# Altium PCB ESP32_Demo.PcbDoc (part 3 of 7) (continued)
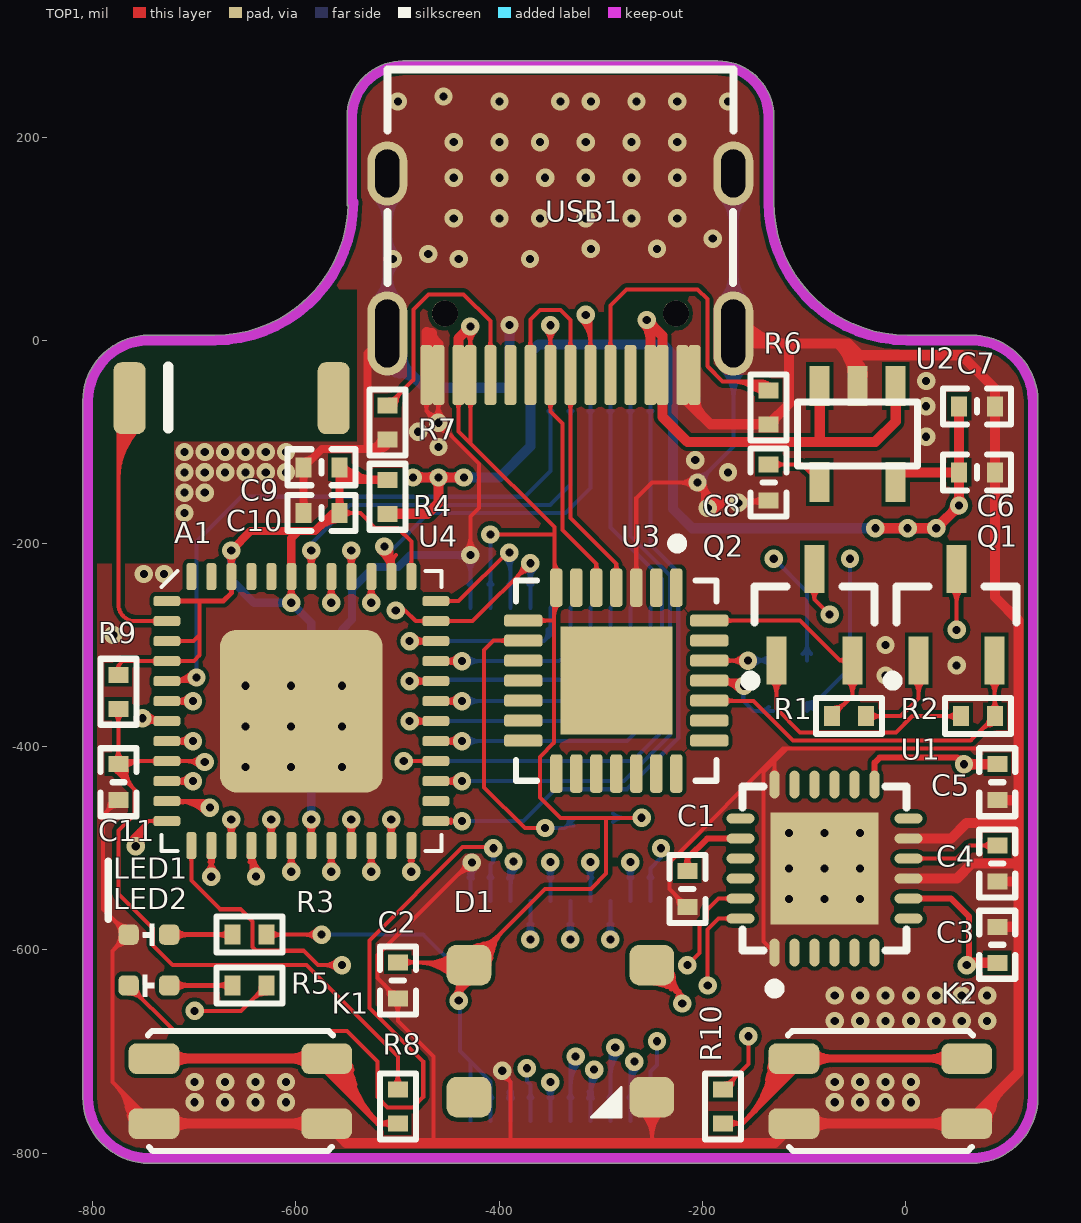
[diagram p0: TOP1 view]
## Nets (pads, with @x,y where several pads share a name; then routed paths per layer and width w, separated by ;. In a path a pad name is that pad's centre, name@x,y a point inside that pad or via, vN(x,y) a via of type N, cw(c..) or ccw(c..) an arc to the next point about the centre after c; other vN are vias at no path point) (continued)
  TOP1 w8: C10.1@-592.49,-170 C9.1@-592.49,-125 -574.65,-107.16 -529.77,-107.16 ; USB1.4@-510.05,6.73 -529.77,-12.99 -529.77,-107.16 ; R7.2@-509.78,-97.71 -519.22,-107.16 ; C10.1@-595.23,-165.29 ccw(c-601.84,-158.68) -592.49,-158.68 ; C10.1@-595.23,-165.29 ccw(c-601.84,-158.68) -592.49,-158.68 ; C10.1@-595.23,-165.29 ccw(c-601.84,-158.68) -592.49,-158.68 ; C10.1@-595.23,-165.29 ccw(c-601.84,-158.68) -592.49,-158.68 ; C10.1@-595.23,-165.29 ccw(c-601.84,-158.68) -592.49,-158.68 ; C10.1@-595.23,-165.29 ccw(c-601.84,-158.68) -592.49,-158.68 ; C9.1@-595.23,-129.71 cw(c-601.84,-136.32) -592.49,-136.32 ; C9.1@-595.23,-129.71 cw(c-601.84,-136.32) -592.49,-136.32 ; C9.1@-595.23,-129.71 cw(c-601.84,-136.32) -592.49,-136.32 ; C9.1@-595.23,-129.71 cw(c-601.84,-136.32) -592.49,-136.32 ; C9.1@-595.23,-129.71 cw(c-601.84,-136.32) -592.49,-136.32 ; C9.1@-595.23,-129.71 cw(c-601.84,-136.32) -592.49,-136.32 ; -592.49,-158.68 ccw(c-583.14,-158.68) C10.1@-589.75,-165.29 ; -592.49,-158.68 ccw(c-583.14,-158.68) C10.1@-589.75,-165.29 ; -592.49,-158.68 ccw(c-583.14,-158.68) C10.1@-589.75,-165.29 ; -592.49,-158.68 ccw(c-583.14,-158.68) C10.1@-589.75,-165.29 ; -592.49,-158.68 ccw(c-583.14,-158.68) C10.1@-589.75,-165.29 ; -592.49,-158.68 ccw(c-583.14,-158.68) C10.1@-589.75,-165.29 ; -592.49,-136.32 cw(c-583.14,-136.32) C9.1@-589.75,-129.71 ; -592.49,-136.32 cw(c-583.14,-136.32) C9.1@-589.75,-129.71 ; -592.49,-136.32 cw(c-583.14,-136.32) C9.1@-589.75,-129.71 ; -592.49,-136.32 cw(c-583.14,-136.32) C9.1@-589.75,-129.71 ; -592.49,-136.32 cw(c-583.14,-136.32) C9.1@-589.75,-129.71 ; -592.49,-136.32 cw(c-583.14,-136.32) C9.1@-589.75,-129.71 ; C9.1@-592.49,-119.16 ccw(c-592.49,-105.05) -582.52,-115.03 ; C9.1@-592.49,-119.16 ccw(c-592.49,-105.05) -582.52,-115.03 ; C9.1@-592.49,-119.16 ccw(c-592.49,-105.05) -582.52,-115.03 ; C9.1@-592.49,-119.16 ccw(c-592.49,-105.05) -582.52,-115.03 ; C9.1@-592.49,-119.16 ccw(c-592.49,-105.05) -582.52,-115.03 ; C9.1@-592.49,-119.16 ccw(c-592.49,-105.05) -582.52,-115.03 ; -529.77,-107.16 ccw(c-529.77,-92.18) R7.2@-515.45,-96.58 ; -529.77,-107.16 ccw(c-529.77,-92.18) R7.2@-515.45,-96.58 ; -529.77,-107.16 ccw(c-529.77,-92.18) R7.2@-515.45,-96.58 ; -529.77,-107.16 ccw(c-529.77,-92.18) R7.2@-515.45,-96.58 ; -529.77,-107.16 ccw(c-529.77,-92.18) R7.2@-515.45,-96.58 ; -529.77,-107.16 ccw(c-529.77,-92.18) R7.2@-515.45,-96.58 ; -529.77,-107.16 -519.22,-107.16 ; -519.22,-107.16 ccw(c-527.96,-98.42) R7.2@-515.61,-97.88 ; -519.22,-107.16 ccw(c-527.96,-98.42) R7.2@-515.61,-97.88 ; -519.22,-107.16 ccw(c-527.96,-98.42) R7.2@-515.61,-97.88 ; -519.22,-107.16 ccw(c-527.96,-98.42) R7.2@-515.61,-97.88 ; -519.22,-107.16 ccw(c-527.96,-98.42) R7.2@-515.61,-97.88 ; -519.22,-107.16 ccw(c-527.96,-98.42) R7.2@-515.61,-97.88 ; -518.95,-107.16 ccw(c-518.95,-95.5) R7.2@-507.8,-98.92 ; -518.95,-107.16 ccw(c-518.95,-95.5) R7.2@-507.8,-98.92 ; -518.95,-107.16 ccw(c-518.95,-95.5) R7.2@-507.8,-98.92 ; -518.95,-107.16 ccw(c-518.95,-95.5) R7.2@-507.8,-98.92 ; -518.95,-107.16 ccw(c-518.95,-95.5) R7.2@-507.8,-98.92 ; -518.95,-107.16 ccw(c-518.95,-95.5) R7.2@-507.8,-98.92
  TOP1 w10: K1.3@-739.77,-771 K1.1@-569.77,-771 -550.77,-790 ; USB1.A12@-471.66,-34.21 -471.66,8.11 ; -469.86,6.96 -471.02,8.11 -471.66,8.11 ; USB1.B1@-459.85,-34.21 -459.85,-3.7 -471.66,8.11 ; USB1.B12@-219.69,-34.21 -219.69,-55.08 -207.88,-66.89 ; USB1.A1@-207.88,-34.21 -207.88,-66.89 ; USB1.3@-169.5,6.73 -159.52,-3.24 -114.77,-3.24 ; U2.2@-47.17,-45 -47.17,-22.6 -66.53,-3.24 ; U1.9@2.9,-529.84 50.39,-529.84 65.23,-515 111.23,-515 ; U1.11@2.9,-490.47 44.76,-490.47 60.23,-475 105.23,-475 ; C3.1@90.23,-577.28 108.51,-577.28 ; C4.2@90.22,-532.71 108.94,-532.71 ; C5.2@90.22,-452.71 108.94,-452.71 ; K1.3@-722.7,-778.07 cw(c-705.63,-795.14) -705.63,-771 ; K1.3@-722.7,-778.07 cw(c-705.63,-795.14) -705.63,-771 ; K1.3@-722.7,-778.07 cw(c-705.63,-795.14) -705.63,-771 ; K1.3@-722.7,-778.07 cw(c-705.63,-795.14) -705.63,-771 ; K1.3@-722.7,-778.07 cw(c-705.63,-795.14) -705.63,-771 ; K1.3@-722.7,-778.07 cw(c-705.63,-795.14) -705.63,-771 ; K1.3@-722.7,-763.93 ccw(c-705.63,-746.86) -705.63,-771 ; K1.3@-722.7,-763.93 ccw(c-705.63,-746.86) -705.63,-771 ; K1.3@-722.7,-763.93 ccw(c-705.63,-746.86) -705.63,-771 ; K1.3@-722.7,-763.93 ccw(c-705.63,-746.86) -705.63,-771 ; K1.3@-722.7,-763.93 ccw(c-705.63,-746.86) -705.63,-771 ; K1.3@-722.7,-763.93 ccw(c-705.63,-746.86) -705.63,-771 ; -603.91,-771 cw(c-603.91,-795.14) K1.1@-586.84,-778.07 ; -603.91,-771 ccw(c-603.91,-746.86) K1.1@-586.84,-763.93 ; -603.91,-771 cw(c-603.91,-795.14) K1.1@-586.84,-778.07 ; -603.91,-771 ccw(c-603.91,-746.86) K1.1@-586.84,-763.93 ; -603.91,-771 cw(c-603.91,-795.14) K1.1@-586.84,-778.07 ; -603.91,-771 ccw(c-603.91,-746.86) K1.1@-586.84,-763.93 ; -603.91,-771 cw(c-603.91,-795.14) K1.1@-586.84,-778.07 ; -603.91,-771 ccw(c-603.91,-746.86) K1.1@-586.84,-763.93 ; -603.91,-771 cw(c-603.91,-795.14) K1.1@-586.84,-778.07 ; -603.91,-771 ccw(c-603.91,-746.86) K1.1@-586.84,-763.93 ; -603.91,-771 ccw(c-603.91,-746.86) K1.1@-586.84,-763.93 ; -603.91,-771 cw(c-603.91,-795.14) K1.1@-586.84,-778.07 ; K1.1@-551.74,-776.95 ccw(c-543.69,-782.92) -550.77,-790 ; K1.1@-551.74,-776.95 ccw(c-543.69,-782.92) -550.77,-790 ; K1.1@-551.74,-776.95 ccw(c-543.69,-782.92) -550.77,-790 ; K1.1@-551.74,-776.95 ccw(c-543.69,-782.92) -550.77,-790 ; K1.1@-551.74,-776.95 ccw(c-543.69,-782.92) -550.77,-790 ; K1.1@-551.74,-776.95 ccw(c-543.69,-782.92) -550.77,-790 ; -550.77,-790 -244.77,-790 -128.77,-790 ; USB1.A12@-471.66,-5.84 cw(c-457.07,-5.84) -467.39,4.48 ; USB1.A12@-471.66,-5.84 cw(c-457.07,-5.84) -467.39,4.48 ; USB1.A12@-471.66,-5.84 cw(c-457.07,-5.84) -467.39,4.48 ; -470.77,3.57 cw(c-473.83,-7.86) -463.58,-1.94 ; -470.77,3.57 cw(c-473.83,-7.86) -463.58,-1.94 ; -470.77,3.57 cw(c-473.83,-7.86) -463.58,-1.94 ; -470.77,3.57 cw(c-473.83,-7.86) -463.58,-1.94 ; -470.77,3.57 cw(c-473.83,-7.86) -463.58,-1.94 ; -470.77,3.57 cw(c-473.83,-7.86) -463.58,-1.94 ; -466.36,6.96 ccw(c-456.36,6.96) -463.43,-0.12 ; -466.36,6.96 ccw(c-456.36,6.96) -463.43,-0.12 ; -466.36,6.96 ccw(c-456.36,6.96) -463.43,-0.12 ; -466.27,2.72 cw(c-479.58,-10.59) USB1.B1@-460.76,-10.59 ; -466.27,2.72 cw(c-479.58,-10.59) USB1.B1@-460.76,-10.59 ; -466.27,2.72 cw(c-479.58,-10.59) USB1.B1@-460.76,-10.59 ; -466.27,2.72 cw(c-479.58,-10.59) USB1.B1@-460.76,-10.59 ; -466.27,2.72 cw(c-479.58,-10.59) USB1.B1@-460.76,-10.59 ; -466.27,2.72 cw(c-479.58,-10.59) USB1.B1@-460.76,-10.59 ; USB1.B12@-219.69,-58.74 cw(c-219.69,-67.58) USB1.A1@-213.44,-61.33 ; USB1.B12@-219.69,-58.74 cw(c-219.69,-67.58) USB1.A1@-213.44,-61.33 ; USB1.B12@-219.69,-58.74 cw(c-219.69,-67.58) USB1.A1@-213.44,-61.33 ; USB1.B12@-219.69,-58.74 cw(c-219.69,-67.58) USB1.A1@-213.44,-61.33 ; USB1.B12@-219.69,-58.74 cw(c-219.69,-67.58) USB1.A1@-213.44,-61.33 ; USB1.B12@-219.69,-58.74 cw(c-219.69,-67.58) USB1.A1@-213.44,-61.33 ; -207.88,-66.89 -192.06,-82.71 R6.2@-134.78,-82.71 -114.77,-62.71 -114.77,-3.24 ; USB1.A1@-207.07,-58.23 ccw(c-198.05,-62.57) -205.13,-69.65 ; USB1.A1@-207.07,-58.23 ccw(c-198.05,-62.57) -205.13,-69.65 ; USB1.A1@-207.07,-58.23 ccw(c-198.05,-62.57) -205.13,-69.65 ; USB1.A1@-207.07,-58.23 ccw(c-198.05,-62.57) -205.13,-69.65 ; USB1.A1@-207.07,-58.23 ccw(c-198.05,-62.57) -205.13,-69.65 ; USB1.A1@-207.07,-58.23 ccw(c-198.05,-62.57) -205.13,-69.65 ; USB1.A1@-206.98,-57.83 ccw(c-182.93,-57.83) -199.93,-74.84 ; USB1.A1@-206.98,-57.83 ccw(c-182.93,-57.83) -199.93,-74.84 ; USB1.A1@-206.98,-57.83 ccw(c-182.93,-57.83) -199.93,-74.84 ; USB1.A1@-206.98,-57.83 ccw(c-182.93,-57.83) -199.93,-74.84 ; USB1.A1@-206.98,-57.83 ccw(c-182.93,-57.83) -199.93,-74.84 ; USB1.A1@-206.98,-57.83 ccw(c-182.93,-57.83) -199.93,-74.84 ; USB1.3@-165.99,9.84 ccw(c-136.96,35.5) -136.96,-3.24 ; USB1.3@-165.99,9.84 ccw(c-136.96,35.5) -136.96,-3.24 ; USB1.3@-165.99,9.84 ccw(c-136.96,35.5) -136.96,-3.24 ; USB1.3@-165.99,9.84 ccw(c-136.96,35.5) -136.96,-3.24 ; USB1.3@-165.99,9.84 ccw(c-136.96,35.5) -136.96,-3.24 ; USB1.3@-165.99,9.84 ccw(c-136.96,35.5) -136.96,-3.24 ; USB1.3@-158.5,16.46 ccw(c-114.77,55.12) -114.77,-3.24 ; USB1.3@-158.5,16.46 ccw(c-114.77,55.12) -114.77,-3.24 ; USB1.3@-158.5,16.46 ccw(c-114.77,55.12) -114.77,-3.24 ; USB1.3@-158.5,16.46 ccw(c-114.77,55.12) -114.77,-3.24 ; USB1.3@-158.5,16.46 ccw(c-114.77,55.12) -114.77,-3.24 ; USB1.3@-158.5,16.46 ccw(c-114.77,55.12) -114.77,-3.24 ; R6.2@-129.93,-82.71 cw(c-118.24,-82.71) -126.51,-74.45 ; R6.2@-129.93,-82.71 cw(c-118.24,-82.71) -126.51,-74.45 ; R6.2@-129.93,-82.71 cw(c-118.24,-82.71) -126.51,-74.45 ; R6.2@-129.93,-82.71 cw(c-118.24,-82.71) -126.51,-74.45 ; R6.2@-129.93,-82.71 cw(c-118.24,-82.71) -126.51,-74.45 ; R6.2@-129.93,-82.71 cw(c-118.24,-82.71) -126.51,-74.45 ; -128.77,-790 ccw(c-135.85,-782.92) K2.3@-127.81,-776.95 ; -128.77,-790 ccw(c-135.85,-782.92) K2.3@-127.81,-776.95 ; -128.77,-790 ccw(c-135.85,-782.92) K2.3@-127.81,-776.95 ; -128.77,-790 ccw(c-135.85,-782.92) K2.3@-127.81,-776.95 ; -128.77,-790 ccw(c-135.85,-782.92) K2.3@-127.81,-776.95 ; -128.77,-790 ccw(c-135.85,-782.92) K2.3@-127.81,-776.95 ; -128.77,-790 K2.3@-109.77,-771 K2.1@60.23,-771 111.23,-720 111.23,-515 ; -114.77,-3.24 -66.53,-3.24 ; K2.3@-92.7,-778.07 cw(c-75.63,-795.14) -75.63,-771 ; K2.3@-92.7,-778.07 cw(c-75.63,-795.14) -75.63,-771 ; K2.3@-92.7,-778.07 cw(c-75.63,-795.14) -75.63,-771 ; K2.3@-92.7,-778.07 cw(c-75.63,-795.14) -75.63,-771 ; K2.3@-92.7,-778.07 cw(c-75.63,-795.14) -75.63,-771 ; K2.3@-92.7,-778.07 cw(c-75.63,-795.14) -75.63,-771 ; K2.3@-92.7,-763.93 ccw(c-75.63,-746.86) -75.63,-771 ; K2.3@-92.7,-763.93 ccw(c-75.63,-746.86) -75.63,-771 ; K2.3@-92.7,-763.93 ccw(c-75.63,-746.86) -75.63,-771 ; K2.3@-92.7,-763.93 ccw(c-75.63,-746.86) -75.63,-771 ; K2.3@-92.7,-763.93 ccw(c-75.63,-746.86) -75.63,-771 ; K2.3@-92.7,-763.93 ccw(c-75.63,-746.86) -75.63,-771 ; -66.53,-3.24 -56.38,-3.24 -44.89,-14.73 54.95,-14.73 87.94,-47.72 C7.1@87.94,-65 C6.1@87.94,-130 87.94,-252.72 111.23,-276 111.23,-515 ; -64.32,-5.45 cw(c-94.03,-35.16) U2.2@-52.02,-35.16 ; -64.32,-5.45 cw(c-94.03,-35.16) U2.2@-52.02,-35.16 ; -64.32,-5.45 cw(c-94.03,-35.16) U2.2@-52.02,-35.16 ; -64.32,-5.45 cw(c-94.03,-35.16) U2.2@-52.02,-35.16 ; -64.32,-5.45 cw(c-94.03,-35.16) U2.2@-52.02,-35.16 ; -64.32,-5.45 cw(c-94.03,-35.16) U2.2@-52.02,-35.16 ; -57.64,-14.17 ccw(c-30.92,-7.01) U2.2@-44.75,-30.96 ; -57.64,-14.17 ccw(c-30.92,-7.01) U2.2@-44.75,-30.96 ; -57.64,-14.17 ccw(c-30.92,-7.01) U2.2@-44.75,-30.96 ; -57.64,-14.17 ccw(c-30.92,-7.01) U2.2@-44.75,-30.96 ; -57.64,-14.17 ccw(c-30.92,-7.01) U2.2@-44.75,-30.96 ; -57.64,-14.17 ccw(c-30.92,-7.01) U2.2@-44.75,-30.96 ; -57.64,-14.17 ccw(c-30.92,-7.01) U2.2@-44.75,-30.96 ; -57.64,-14.17 ccw(c-30.92,-7.01) U2.2@-44.75,-30.96 ; -57.64,-14.17 ccw(c-30.92,-7.01) U2.2@-44.75,-30.96 ; -57.64,-14.17 ccw(c-30.92,-7.01) U2.2@-44.75,-30.96 ; -57.64,-14.17 ccw(c-30.92,-7.01) U2.2@-44.75,-30.96 ; -57.64,-14.17 ccw(c-30.92,-7.01) U2.2@-44.75,-30.96 ; -57.64,-14.17 ccw(c-30.92,-7.01) U2.2@-44.75,-30.96 ; -57.64,-14.17 ccw(c-30.92,-7.01) U2.2@-44.75,-30.96 ; -57.64,-14.17 ccw(c-30.92,-7.01) U2.2@-44.75,-30.96 ; -54.88,-20.84 cw(c-63.82,-29.79) U2.2@-51.78,-33.67 ; -54.88,-20.84 cw(c-63.82,-29.79) U2.2@-51.78,-33.67 ; -54.88,-20.84 cw(c-63.82,-29.79) U2.2@-51.78,-33.67 ; -54.88,-20.84 cw(c-63.82,-29.79) U2.2@-51.78,-33.67 ; -54.88,-20.84 cw(c-63.82,-29.79) U2.2@-51.78,-33.67 ; -54.88,-20.84 cw(c-63.82,-29.79) U2.2@-51.78,-33.67 ; -54.88,-20.84 cw(c-63.82,-29.79) U2.2@-51.78,-33.67 ; -54.88,-20.84 cw(c-63.82,-29.79) U2.2@-51.78,-33.67 ; -54.88,-20.84 cw(c-63.82,-29.79) U2.2@-51.78,-33.67 ; -54.88,-20.84 cw(c-63.82,-29.79) U2.2@-51.78,-33.67 ; -54.88,-20.84 cw(c-63.82,-29.79) U2.2@-51.78,-33.67 ; -54.88,-20.84 cw(c-63.82,-29.79) U2.2@-51.78,-33.67 ; -54.88,-20.84 cw(c-63.82,-29.79) U2.2@-51.78,-33.67 ; -54.88,-20.84 cw(c-63.82,-29.79) U2.2@-51.78,-33.67 ; -54.88,-20.84 cw(c-63.82,-29.79) U2.2@-51.78,-33.67 ; -54.88,-20.84 cw(c-63.82,-29.79) U2.2@-51.78,-33.67 ; -54.88,-20.84 cw(c-63.82,-29.79) U2.2@-51.78,-33.67 ; -54.88,-20.84 cw(c-63.82,-29.79) U2.2@-51.78,-33.67 ; -54.88,-20.84 cw(c-63.82,-29.79) U2.2@-51.78,-33.67 ; -54.88,-20.84 cw(c-63.82,-29.79) U2.2@-51.78,-33.67 ; U2.2@-50.6,-31.73 ccw(c-58.86,-23.47) -47.17,-23.47 ; U2.2@-50.6,-31.73 ccw(c-58.86,-23.47) -47.17,-23.47 ; U2.2@-50.6,-31.73 ccw(c-58.86,-23.47) -47.17,-23.47 ; U2.2@-50.6,-31.73 ccw(c-58.86,-23.47) -47.17,-23.47 ; U2.2@-50.6,-31.73 ccw(c-58.86,-23.47) -47.17,-23.47 ; U2.2@-50.6,-31.73 ccw(c-58.86,-23.47) -47.17,-23.47 ; -47.25,-22.52 cw(c-59.89,-35.16) U2.2@-42.02,-35.16 ; -47.25,-22.52 cw(c-59.89,-35.16) U2.2@-42.02,-35.16 ; -47.25,-22.52 cw(c-59.89,-35.16) U2.2@-42.02,-35.16 ; -47.25,-22.52 cw(c-59.89,-35.16) U2.2@-42.02,-35.16 ; -47.25,-22.52 cw(c-59.89,-35.16) U2.2@-42.02,-35.16 ; -47.25,-22.52 cw(c-59.89,-35.16) U2.2@-42.02,-35.16 ; -47.17,-23.47 ccw(c-35.48,-23.47) U2.2@-43.75,-31.73 ; -47.17,-23.47 ccw(c-35.48,-23.47) U2.2@-43.75,-31.73 ; -47.17,-23.47 ccw(c-35.48,-23.47) U2.2@-43.75,-31.73 ; -47.17,-23.47 ccw(c-35.48,-23.47) U2.2@-43.75,-31.73 ; -47.17,-23.47 ccw(c-35.48,-23.47) U2.2@-43.75,-31.73 ; -47.17,-23.47 ccw(c-35.48,-23.47) U2.2@-43.75,-31.73 ; 26.09,-771 cw(c26.09,-795.14) K2.1@43.16,-778.07 ; 26.09,-771 ccw(c26.09,-746.86) K2.1@43.16,-763.93 ; 26.09,-771 cw(c26.09,-795.14) K2.1@43.16,-778.07 ; 26.09,-771 ccw(c26.09,-746.86) K2.1@43.16,-763.93 ; 26.09,-771 cw(c26.09,-795.14) K2.1@43.16,-778.07 ; 26.09,-771 ccw(c26.09,-746.86) K2.1@43.16,-763.93 ; 26.09,-771 cw(c26.09,-795.14) K2.1@43.16,-778.07 ; 26.09,-771 ccw(c26.09,-746.86) K2.1@43.16,-763.93 ; 26.09,-771 cw(c26.09,-795.14) K2.1@43.16,-778.07 ; 26.09,-771 ccw(c26.09,-746.86) K2.1@43.16,-763.93 ; 26.09,-771 ccw(c26.09,-746.86) K2.1@43.16,-763.93 ; 26.09,-771 cw(c26.09,-795.14) K2.1@43.16,-778.07 ; K2.1@70.23,-771 cw(c94.37,-771) 77.3,-753.93 ; K2.1@70.23,-771 ccw(c56.83,-744.87) 85.19,-752.47 ; K2.1@70.23,-771 ccw(c56.83,-744.87) 85.19,-752.47 ; K2.1@70.23,-771 ccw(c56.83,-744.87) 85.19,-752.47 ; K2.1@70.23,-771 ccw(c56.83,-744.87) 85.19,-752.47 ; K2.1@70.23,-771 ccw(c56.83,-744.87) 85.19,-752.47 ; K2.1@70.23,-771 cw(c94.37,-771) 77.3,-753.93 ; K2.1@70.23,-771 ccw(c56.83,-744.87) 85.19,-752.47 ; K2.1@70.23,-771 ccw(c56.83,-744.87) 85.19,-752.47 ; K2.1@70.23,-771 ccw(c56.83,-744.87) 85.19,-752.47 ; K2.1@70.23,-771 ccw(c56.83,-744.87) 85.19,-752.47 ; K2.1@70.23,-771 cw(c94.37,-771) 77.3,-753.93 ; K2.1@70.23,-771 ccw(c56.83,-744.87) 85.19,-752.47 ; K2.1@70.23,-771 ccw(c56.83,-744.87) 85.19,-752.47 ; K2.1@70.23,-771 ccw(c56.83,-744.87) 85.19,-752.47 ; K2.1@70.23,-771 cw(c94.37,-771) 77.3,-753.93 ; K2.1@70.23,-771 ccw(c56.83,-744.87) 85.19,-752.47 ; K2.1@70.23,-771 ccw(c56.83,-744.87) 85.19,-752.47 ; K2.1@70.23,-771 cw(c94.37,-771) 77.3,-753.93 ; K2.1@70.23,-771 ccw(c56.83,-744.87) 85.19,-752.47 ; K2.1@70.23,-771 cw(c94.37,-771) 77.3,-753.93 ; K2.1@80.23,-771 cw(c128.51,-771) 94.37,-736.86 ; K2.1@80.23,-771 cw(c128.51,-771) 94.37,-736.86 ; K2.1@80.23,-771 cw(c128.51,-771) 94.37,-736.86 ; K2.1@80.23,-771 cw(c128.51,-771) 94.37,-736.86 ; K2.1@80.23,-771 cw(c128.51,-771) 94.37,-736.86 ; K2.1@80.23,-771 cw(c128.51,-771) 94.37,-736.86